# KiCad board evr-fmc.kicad_pcb
title: Trigger Output FMC; date: 2026-05-07; rev: 1.0; company: SPDX-FileCopyrightText: 2025 Osprey DCS; note: SPDX-License-Identifier: CERN-OHL-S-2.0+
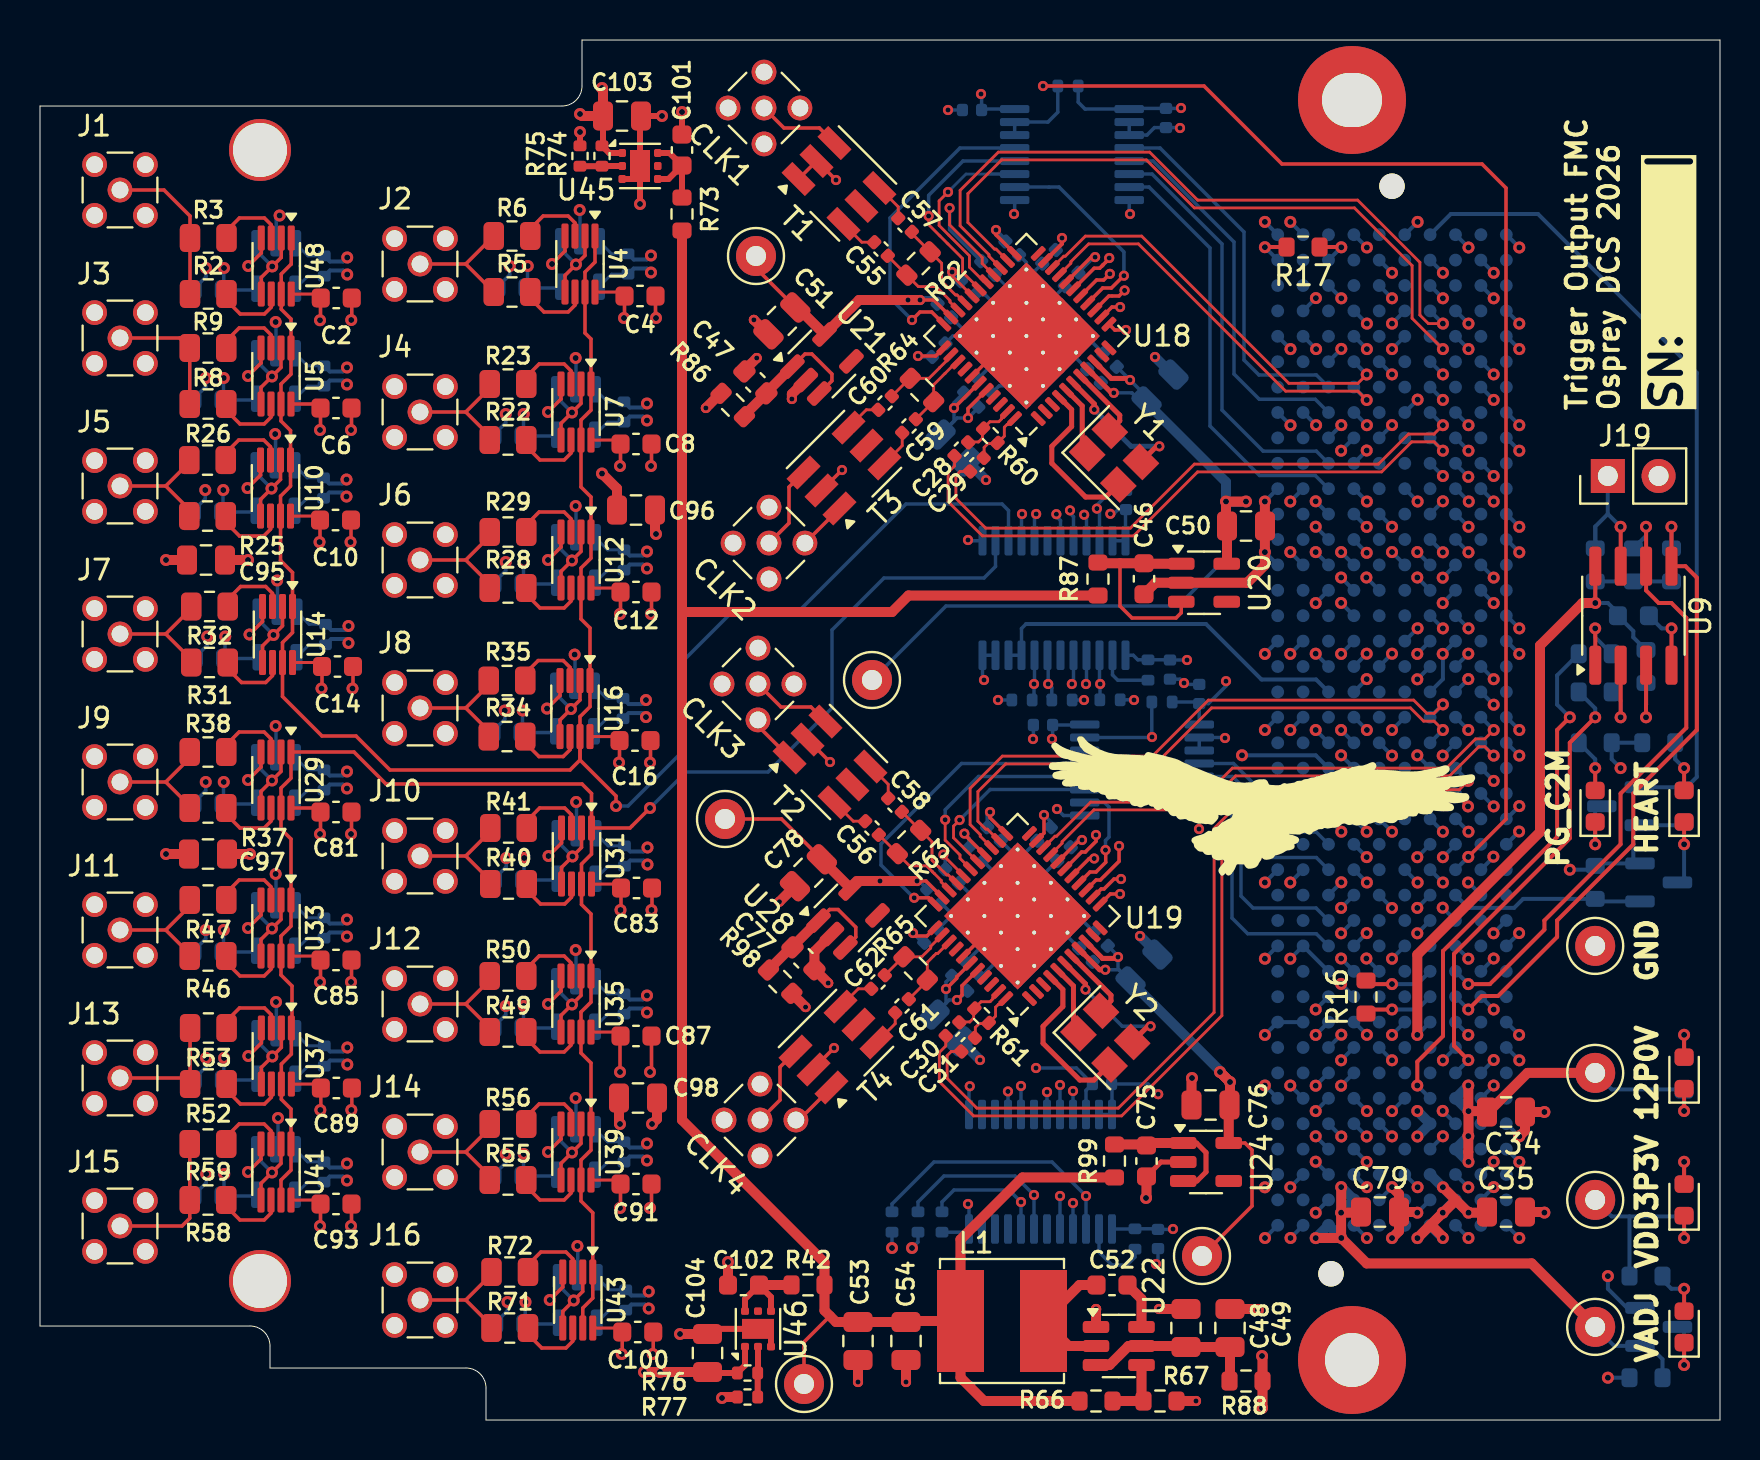
[diagram p0: board, top side]
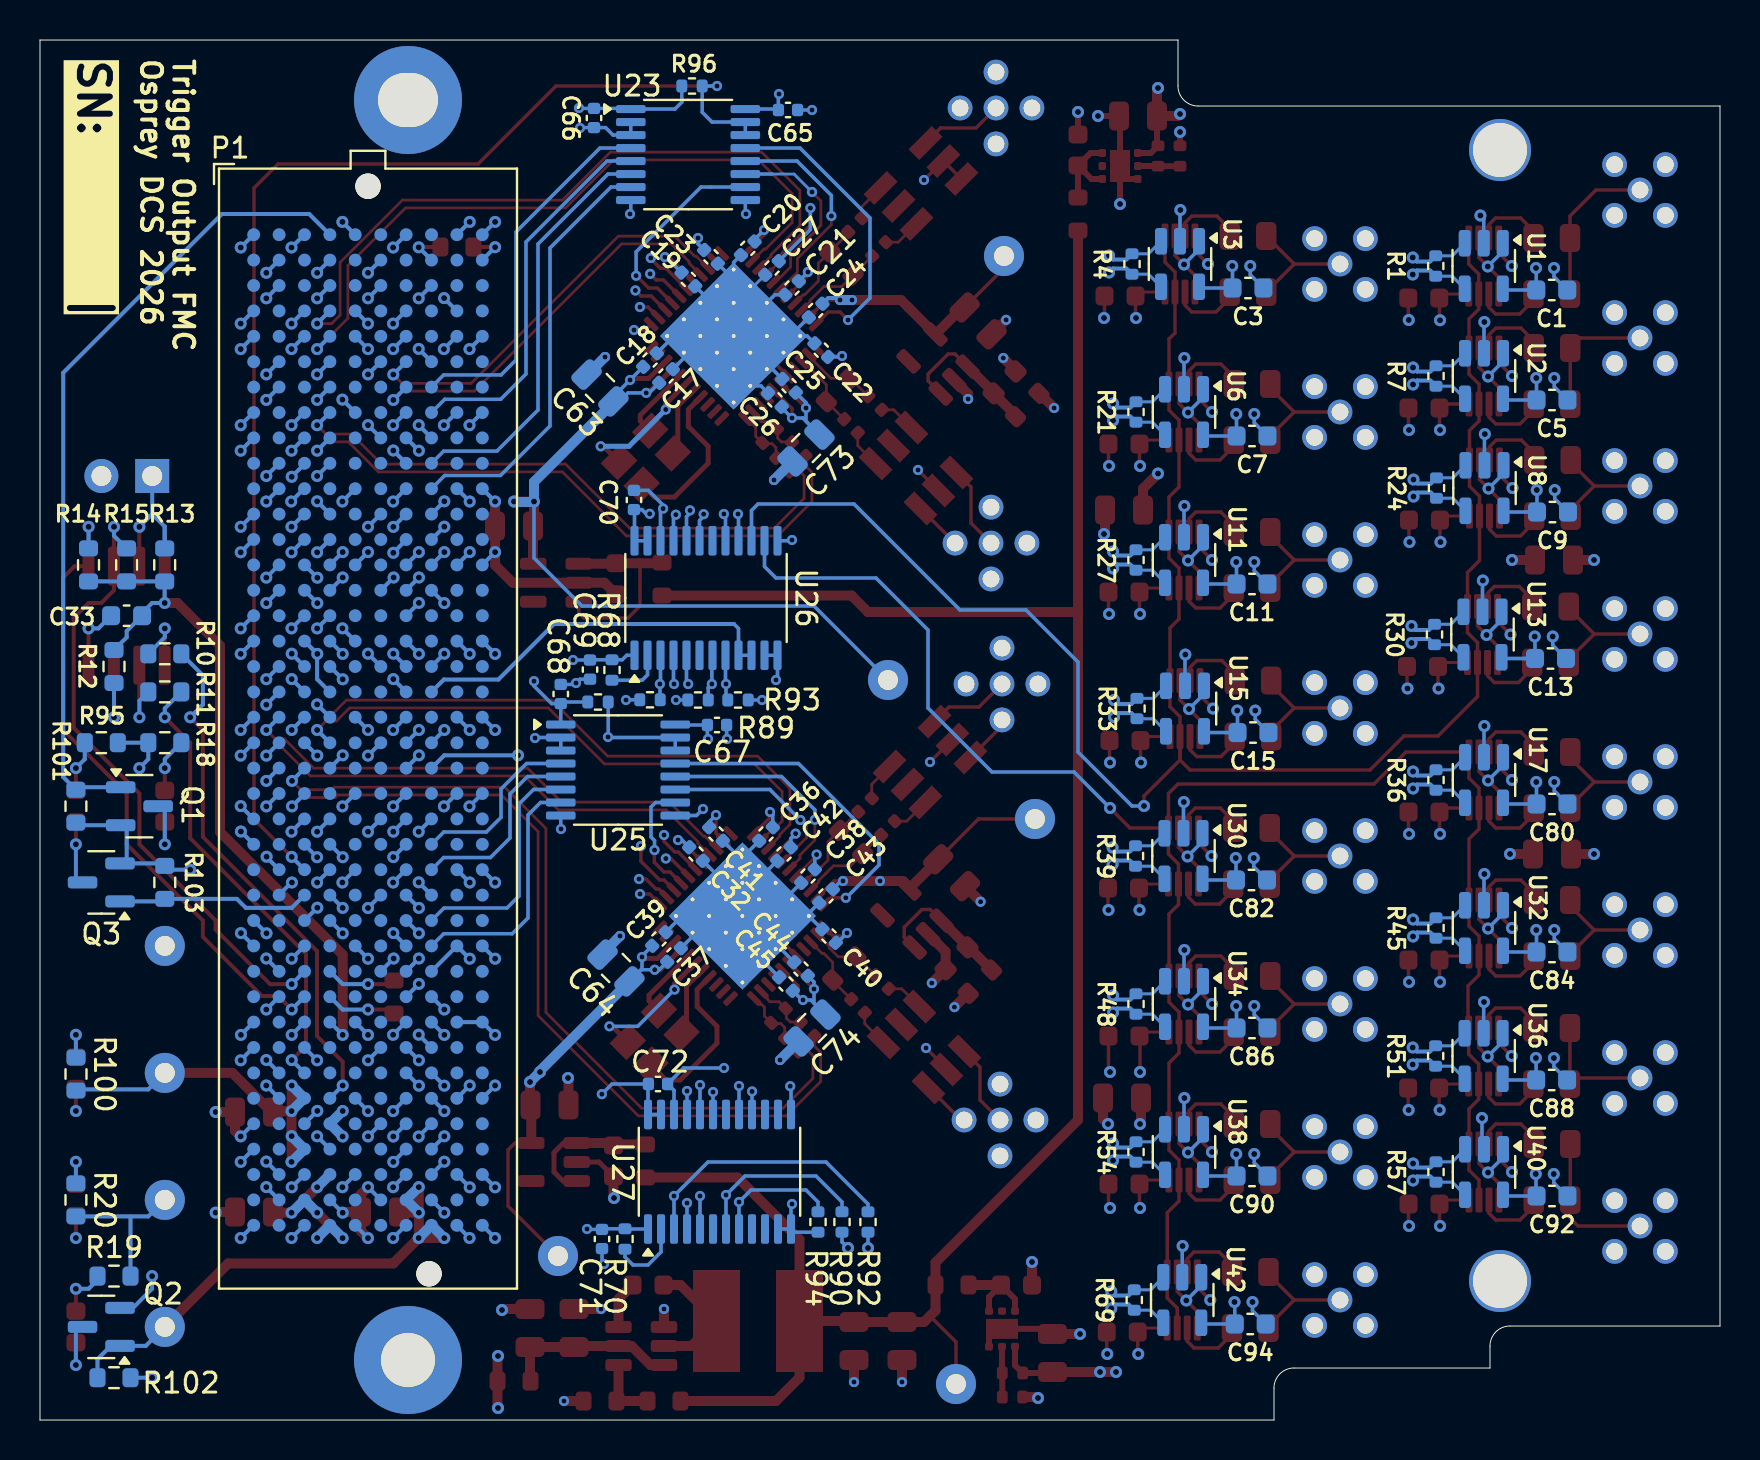
[diagram p1: board, bottom side, seen from below]

Outline 84 x 69 mm; copper layers: Top, In1.Cu, In2.Cu, In3.Cu, In4.Cu, In5.Cu, In6.Cu, Bottom. Coordinates in mm from the lower left corner of the outline.
Outline path: 0,65.7 0,4.7 10.5,4.7 arc(11.21,4.41) 11.5,3.7 11.5,2.6 21.3,2.6 arc(22.01,2.31) 22.3,1.6 22.3,0 84,0 84,69 27.1,69 27.1,66.7 arc(26.81,65.99) 26.1,65.7 0,65.7
Stack: Top 0.035mm / dielectric 0.1525mm FR4 - 2113x2 er 4.3 / In1.Cu 0.035mm / dielectric 0.23mm FR4 er 4.3 / In2.Cu 0.035mm / dielectric 0.1525mm FR4 - 2113x2 er 4.3 / In3.Cu 0.035mm / dielectric 0.23mm FR4 er 4.3 / In4.Cu 0.035mm / dielectric 0.1525mm FR4 - 2113x2 er 4.3 / In5.Cu 0.035mm / dielectric 0.23mm FR4 er 4.3 / In6.Cu 0.035mm / dielectric 0.1525mm FR4 - 2113x2 er 4.3 / Bottom 0.035mm

## Placement (name value [footprint] x y rotation side)
C1  100nF  [C_0603_1608Metric]  8.41 56.5 0 bottom
C2  100nF  [C_0603_1608Metric]  14.81 56.1 180 top
C3  100nF  [C_0603_1608Metric]  23.6 56.6 0 bottom
C4  100nF  [C_0603_1608Metric]  30 56.2 180 top
C5  100nF  [C_0603_1608Metric]  8.4 51 0 bottom
C6  100nF  [C_0603_1608Metric]  14.8 50.6 180 top
C7  100nF  [C_0603_1608Metric]  23.4 49.2 0 bottom
C8  100nF  [C_0603_1608Metric]  29.8 48.8 180 top
C9  100nF  [C_0603_1608Metric]  8.38 45.4 0 bottom
C10  100nF  [C_0603_1608Metric]  14.78 45 180 top
C11  100nF  [C_0603_1608Metric]  23.4 41.8 0 bottom
C12  100nF  [C_0603_1608Metric]  29.8 41.4 180 top
C13  100nF  [C_0603_1608Metric]  8.48 38.08 0 bottom
C14  100nF  [C_0603_1608Metric]  14.88 37.68 180 top
C15  100nF  [C_0603_1608Metric]  23.35 34.37 0 bottom
C16  100nF  [C_0603_1608Metric]  29.75 33.97 180 top
C17  100nF  [C_0402_1005Metric]  52.7 52.2 135 bottom
C18  100nF  [C_0402_1005Metric]  53.5 53 135 bottom
C19  100nF  [C_0402_1005Metric]  51.58 57.03 225 bottom
C20  100nF  [C_0402_1005Metric]  48.61 58.58 315 bottom
C21  100nF  [C_0402_1005Metric]  46.4 56.6 315 bottom
C22  100nF  [C_0402_1005Metric]  44.94 53.49 45 bottom
C23  100nF  [C_0402_1005Metric]  50.45 58.16 225 bottom
C24  100nF  [C_0402_1005Metric]  45.22 55.47 315 bottom
C25  100nF  [C_0402_1005Metric]  46.55 51.71 45 bottom
C26  100nF  [C_0402_1005Metric]  47.25 51 45 bottom
C27  100nF  [C_0402_1005Metric]  47.4 57.6 315 bottom
C28  100nF  [C_0402_1005Metric]  46.07 48.54 45 top
C29  100nF  [C_0402_1005Metric]  46.84 47.77 45 top
C30  100nF  [C_0402_1005Metric]  45.63 19.54 45 top
C31  100nF  [C_0402_1005Metric]  46.41 18.77 45 top
C32  100nF  [C_0402_1005Metric]  51.2 28.3 225 bottom
C33  1uF  [C_0603_1608Metric]  79.67 40.22 0 bottom
C34  22uF  [C_0805_2012Metric]  73.3 15.4 0 top
C35  22uF  [C_0805_2012Metric]  73.3 10.4 0 top
C36  100nF  [C_0402_1005Metric]  47.7 29.3 315 bottom
C37  100nF  [C_0402_1005Metric]  52.3 23.25 135 bottom
C38  100nF  [C_0402_1005Metric]  45.6 27.2 315 bottom
C39  100nF  [C_0402_1005Metric]  53.05 24.05 135 bottom
C40  100nF  [C_0402_1005Metric]  44.55 24.2 45 bottom
C41  100nF  [C_0402_1005Metric]  50.2 29.3 225 bottom
C42  100nF  [C_0402_1005Metric]  46.8 28.3 315 bottom
C43  100nF  [C_0402_1005Metric]  44.7 26.2 315 bottom
C44  100nF  [C_0402_1005Metric]  45.95 22.55 45 bottom
C45  100nF  [C_0402_1005Metric]  46.7 21.8 45 bottom
C46  1uF  [C_0603_1608Metric]  55.2 42.06 270 top
C47  1uF  [C_0603_1608Metric]  35.77 51.88 135 top
C48  10uF  [C_0805_2012Metric]  57.3 4.6 90 top
C49  10uF  [C_0805_2012Metric]  59.5 4.6 90 top
C50  10uF  [C_0805_2012Metric]  60.3 44.7 0 top
C51  10uF  [C_0805_2012Metric]  37.09 54.96 225 top
C52  100nF  [C_0603_1608Metric]  53.6 6.75 180 top
C53  22uF  [C_0805_2012Metric]  40.9 3.95 270 top
C54  22uF  [C_0805_2012Metric]  43.3 3.95 270 top
C55  100nF  [C_0402_1005Metric]  42.05 58.55 135 top
C56  100nF  [C_0402_1005Metric]  41.6 29.6 135 top
C57  100nF  [C_0402_1005Metric]  43.25 59.75 135 top
C58  100nF  [C_0402_1005Metric]  42.75 30.75 135 top
C59  100nF  [C_0402_1005Metric]  43.45 49.7 225 top
C60  100nF  [C_0402_1005Metric]  42.25 50.85 225 top
C61  100nF  [C_0402_1005Metric]  43.1 20.7 225 top
C62  100nF  [C_0402_1005Metric]  41.9 21.9 225 top
C63  10uF  [C_0805_2012Metric]  56 51.6 45 bottom
C64  10uF  [C_0805_2012Metric]  55.2 22.6 45 bottom
C65  100nF  [C_0402_1005Metric]  46.6 65.5 0 bottom
C66  100nF  [C_0402_1005Metric]  56.3 65.1 90 bottom
C67  100nF  [C_0402_1005Metric]  50.15 34.75 0 bottom
C68  100nF  [C_0402_1005Metric]  57.96 36.3 270 bottom
C69  100nF  [C_0402_1005Metric]  56.5 37.52 90 bottom
C70  100nF  [C_0402_1005Metric]  54.3 46 270 bottom
C71  100nF  [C_0402_1005Metric]  55.9 9.05 90 bottom
C72  100nF  [C_0402_1005Metric]  53.1 16.8 0 bottom
C73  10uF  [C_0805_2012Metric]  45.7 48.6 315 bottom
C74  10uF  [C_0805_2012Metric]  45.4 19.6 315 bottom
C75  1uF  [C_0603_1608Metric]  55.32 12.95 270 top
C76  10uF  [C_0805_2012Metric]  58.52 15.75 180 top
C77  1uF  [C_0603_1608Metric]  38.17 23.08 315 top
C78  10uF  [C_0805_2012Metric]  38.42 27.36 225 top
C79  22uF  [C_0805_2012Metric]  67 10.4 0 top
C80  100nF  [C_0603_1608Metric]  8.4 30.8 0 bottom
C81  100nF  [C_0603_1608Metric]  14.8 30.4 180 top
C82  100nF  [C_0603_1608Metric]  23.43 27 0 bottom
C83  100nF  [C_0603_1608Metric]  29.82 26.6 180 top
C84  100nF  [C_0603_1608Metric]  8.4 23.4 0 bottom
C85  100nF  [C_0603_1608Metric]  14.8 23 180 top
C86  100nF  [C_0603_1608Metric]  23.4 19.6 0 bottom
C87  100nF  [C_0603_1608Metric]  29.8 19.2 180 top
C88  100nF  [C_0603_1608Metric]  8.42 17 0 bottom
C89  100nF  [C_0603_1608Metric]  14.82 16.6 180 top
C90  100nF  [C_0603_1608Metric]  23.4 12.2 0 bottom
C91  100nF  [C_0603_1608Metric]  29.8 11.8 180 top
C92  100nF  [C_0603_1608Metric]  8.4 11.2 0 bottom
C93  100nF  [C_0603_1608Metric]  14.8 10.8 180 top
C94  100nF  [C_0603_1608Metric]  23.49 4.8 0 bottom
C95  10uF  [C_0805_2012Metric]  8.3 43 180 top
C96  10uF  [C_0805_2012Metric]  29.8 45.5 180 top
C97  10uF  [C_0805_2012Metric]  8.4 28.3 180 top
C98  10uF  [C_0805_2012Metric]  29.9 16.1 0 top
C100  100nF  [C_0603_1608Metric]  29.89 4.4 180 top
C101  1uF  [C_0603_1608Metric]  32.1 63.5 90 top
C102  1uF  [C_0603_1608Metric]  35.18 6.75 180 top
C103  10uF  [C_0805_2012Metric]  29.1 65.2 0 top
C104  10uF  [C_0805_2012Metric]  33.38 3.35 90 top
CLK1  MMCX  [MMCX_Molex_73415-1471_Vertical]  36.2 65.6 315 top
CLK2  MMCX  [MMCX_Molex_73415-1471_Vertical]  36.45 43.85 135 top
CLK3  MMCX  [MMCX_Molex_73415-1471_Vertical]  35.9 36.8 135 top
CLK4  MMCX  [MMCX_Molex_73415-1471_Vertical]  36 15 45 top
D1  Green  [LED_0603_1608Metric]  77.76 30.69 90 top
D2  Green  [LED_0603_1608Metric]  82.21 4.66 90 top
D3  Green  [LED_0603_1608Metric]  82.21 11 90 top
D4  Green  [LED_0603_1608Metric]  82.21 30.69 90 top
D5  Green  [LED_0603_1608Metric]  82.21 17.36 90 top
H1  MountingHole  [MountingHole_2.7mm_M2.5_Pad]  65.6 3 0 top
H2  MountingHole  [MountingHole_2.7mm_M2.5_Pad_Marble_Slot]  65.6 66 0 top
H3  MountingHole  [MountingHole_2.7mm_Pad_3.1mm]  11 6.95 0 top
H4  MountingHole  [MountingHole_2.7mm_Pad_3.1mm]  11 63.5 0 top
J1  MMCX  [MMCX_Molex_73415-1471_Vertical]  4 61.5 0 top
J2  MMCX  [MMCX_Molex_73415-1471_Vertical]  19 57.8 0 top
J3  MMCX  [MMCX_Molex_73415-1471_Vertical]  4 54.1 0 top
J4  MMCX  [MMCX_Molex_73415-1471_Vertical]  19 50.4 0 top
J5  MMCX  [MMCX_Molex_73415-1471_Vertical]  4 46.7 0 top
J6  MMCX  [MMCX_Molex_73415-1471_Vertical]  19 43 0 top
J7  MMCX  [MMCX_Molex_73415-1471_Vertical]  4 39.3 0 top
J8  MMCX  [MMCX_Molex_73415-1471_Vertical]  19 35.6 0 top
J9  MMCX  [MMCX_Molex_73415-1471_Vertical]  4 31.9 0 top
J10  MMCX  [MMCX_Molex_73415-1471_Vertical]  19 28.2 0 top
J11  MMCX  [MMCX_Molex_73415-1471_Vertical]  4 24.5 0 top
J12  MMCX  [MMCX_Molex_73415-1471_Vertical]  19 20.8 0 top
J13  MMCX  [MMCX_Molex_73415-1471_Vertical]  4 17.1 0 top
J14  MMCX  [MMCX_Molex_73415-1471_Vertical]  19 13.4 0 top
J15  MMCX  [MMCX_Molex_73415-1471_Vertical]  4 9.7 0 top
J16  MMCX  [MMCX_Molex_73415-1471_Vertical]  19 6 0 top
J19  WP Jumper  [PinHeader_1x02_P2.54mm_Vertical]  78.39 47.2 90 top
L1  SRN6045TA-3R3M  [L_Bourns_SRN6045TA]  48.1 4.95 180 top
Logo1  Osprey Logo  [Logo_2X]  61.45 31.98 45 top
P1  ASP-134488-01  [Samtec_FMC_ASP-134602-01_10x40_P1.27mm_Vertical]  67.6 34.5 180 bottom
Q1  FDN335N  [SOT-23]  79.03 30.69 180 bottom
Q2  FDN335N  [SOT-23]  80.94 4.66 0 bottom
Q3  FDN335N  [SOT-23]  80.94 26.88 0 bottom
R1  100R  [R_0402_1005Metric]  14.21 57.7 270 bottom
R2  88.7R  [R_0805_2012Metric]  8.41 56.3 180 top
R3  88.7R  [R_0805_2012Metric]  8.41 59.1 180 top
R4  100R  [R_0402_1005Metric]  29.4 57.8 270 bottom
R5  88.7R  [R_0805_2012Metric]  23.6 56.4 180 top
R6  88.7R  [R_0805_2012Metric]  23.6 59.2 180 top
R7  100R  [R_0402_1005Metric]  14.2 52.2 270 bottom
R8  88.7R  [R_0805_2012Metric]  8.4 50.8 180 top
R9  88.7R  [R_0805_2012Metric]  8.4 53.6 180 top
R10  4.75k  [R_0603_1608Metric]  77.76 38.31 0 bottom
R11  4.75k  [R_0603_1608Metric]  77.76 36.41 0 bottom
R12  4.75k  [R_0603_1608Metric]  80.3 37.67 270 bottom
R13  11.5k  [R_0603_1608Metric]  77.76 42.75 90 bottom
R14  4.75k  [R_0603_1608Metric]  81.57 42.75 90 bottom
R15  4.75k  [R_0603_1608Metric]  79.67 42.75 90 bottom
R16  0R  [R_0603_1608Metric]  66.3 21.15 90 top
R17  0R  [R_0603_1608Metric]  63.16 58.65 180 top
R18  1k  [R_0603_1608Metric]  77.76 33.86 0 bottom
R19  1k  [R_0603_1608Metric]  80.3 7.19 180 bottom
R20  1k  [R_0603_1608Metric]  82.21 11 270 bottom
R21  100R  [R_0402_1005Metric]  29.2 50.4 270 bottom
R22  88.7R  [R_0805_2012Metric]  23.4 49 180 top
R23  88.7R  [R_0805_2012Metric]  23.4 51.8 180 top
R24  100R  [R_0402_1005Metric]  14.18 46.6 270 bottom
R25  88.7R  [R_0805_2012Metric]  8.38 45.2 180 top
R26  88.7R  [R_0805_2012Metric]  8.38 48 180 top
R27  100R  [R_0402_1005Metric]  29.2 43 270 bottom
R28  88.7R  [R_0805_2012Metric]  23.4 41.6 180 top
R29  88.7R  [R_0805_2012Metric]  23.4 44.4 180 top
R30  100R  [R_0402_1005Metric]  14.28 39.28 270 bottom
R31  88.7R  [R_0805_2012Metric]  8.48 37.88 180 top
R32  88.7R  [R_0805_2012Metric]  8.48 40.68 180 top
R33  100R  [R_0402_1005Metric]  29.15 35.57 270 bottom
R34  88.7R  [R_0805_2012Metric]  23.35 34.17 180 top
R35  88.7R  [R_0805_2012Metric]  23.35 36.97 180 top
R36  100R  [R_0402_1005Metric]  14.2 32 270 bottom
R37  88.7R  [R_0805_2012Metric]  8.4 30.6 180 top
R38  88.7R  [R_0805_2012Metric]  8.4 33.4 180 top
R39  100R  [R_0402_1005Metric]  29.22 28.2 270 bottom
R40  88.7R  [R_0805_2012Metric]  23.43 26.8 180 top
R41  88.7R  [R_0805_2012Metric]  23.43 29.6 180 top
R42  0R  [R_0603_1608Metric]  38.4 6.75 180 top
R45  100R  [R_0402_1005Metric]  14.2 24.6 270 bottom
R46  88.7R  [R_0805_2012Metric]  8.4 23.2 180 top
R47  88.7R  [R_0805_2012Metric]  8.4 26 180 top
R48  100R  [R_0402_1005Metric]  29.2 20.8 270 bottom
R49  88.7R  [R_0805_2012Metric]  23.4 19.4 180 top
R50  88.7R  [R_0805_2012Metric]  23.4 22.2 180 top
R51  100R  [R_0402_1005Metric]  14.22 18.2 270 bottom
R52  88.7R  [R_0805_2012Metric]  8.42 16.8 180 top
R53  88.7R  [R_0805_2012Metric]  8.42 19.6 180 top
R54  100R  [R_0402_1005Metric]  29.2 13.4 270 bottom
R55  88.7R  [R_0805_2012Metric]  23.4 12 180 top
R56  88.7R  [R_0805_2012Metric]  23.4 14.8 180 top
R57  100R  [R_0402_1005Metric]  14.2 12.4 270 bottom
R58  88.7R  [R_0805_2012Metric]  8.4 11 180 top
R59  88.7R  [R_0805_2012Metric]  8.4 13.8 180 top
R60  100R  [R_0402_1005Metric]  47.52 49.21 315 top
R61  100R  [R_0402_1005Metric]  47.08 20.21 315 top
R62  100R  [R_0603_1608Metric]  43.93 57.83 45 top
R63  100R  [R_0603_1608Metric]  43.45 28.9 45 top
R64  100R  [R_0603_1608Metric]  44.1 51.5 135 top
R65  100R  [R_0603_1608Metric]  43.78 22.58 135 top
R66  61.9k  [R_0603_1608Metric]  52.8 0.95 0 top
R67  10k  [R_0603_1608Metric]  56 0.95 0 top
R68  4.75k  [R_0402_1005Metric]  55.4 37.5 90 bottom
R69  100R  [R_0402_1005Metric]  29.29 6 270 bottom
R70  4.75k  [R_0402_1005Metric]  54.75 9.05 90 bottom
R71  88.7R  [R_0805_2012Metric]  23.49 4.6 180 top
R72  88.7R  [R_0805_2012Metric]  23.49 7.4 180 top
R73  0R  [R_0603_1608Metric]  32.1 60.3 90 top
R74  10.7k  [R_0402_1005Metric]  27 63.2 270 top
R75  86.6k  [R_0402_1005Metric]  28.1 63.2 90 top
R76  86.6k  [R_0402_1005Metric]  35.37 2.35 180 top
R77  10.7k  [R_0402_1005Metric]  35.38 1.15 0 top
R86  0R  [R_0603_1608Metric]  34.64 50.75 315 top
R87  0R  [R_0603_1608Metric]  52.9 42.05 90 top
R88  0R  [R_0603_1608Metric]  60.3 1.95 180 top
R89  4.75k  [R_0402_1005Metric]  51.1 36 0 bottom
R90  4.75k  [R_0402_1005Metric]  43.9 9.9 270 bottom
R91  4.75k  [R_0402_1005Metric]  53.5 36.01 0 bottom
R92  4.75k  [R_0402_1005Metric]  42.6 9.9 270 bottom
R93  4.75k  [R_0402_1005Metric]  49.1 36 0 bottom
R94  4.75k  [R_0402_1005Metric]  45.1 9.9 90 bottom
R95  1k  [R_0603_1608Metric]  80.94 33.86 180 bottom
R96  4.75k  [R_0402_1005Metric]  51.4 66.7 0 bottom
R97  4.75k  [R_0402_1005Metric]  56.1 35.9 0 bottom
R98  0R  [R_0603_1608Metric]  37.01 21.92 135 top
R99  0R  [R_0603_1608Metric]  53.72 12.95 90 top
R100  8.2k  [R_0603_1608Metric]  82.2 17.3 270 bottom
R101  100k  [R_0603_1608Metric]  82.21 30.69 90 bottom
R102  100k  [R_0603_1608Metric]  80.3 2.12 0 bottom
R103  100k  [R_0603_1608Metric]  77.76 26.88 270 bottom
T1  TCM2-43X+  [Mini-Circuits_DB1627]  39.95 61.83 45 top
T2  TCM2-43X+  [Mini-Circuits_DB1627]  39.5 32.9 45 top
T3  TCM2-43X+  [Mini-Circuits_DB1627]  40.2 47.6 135 top
T4  TCM2-43X+  [Mini-Circuits_DB1627]  39.8 18.65 135 top
TP1  Keystone5001  [TestPoint_Keystone_5000-5004_Miniature]  77.76 23.7 0 top
TP2  Keystone5000  [TestPoint_Keystone_5000-5004_Miniature]  77.76 17.36 0 top
TP3  Keystone5000  [TestPoint_Keystone_5000-5004_Miniature]  77.76 11 0 top
TP4  Keystone5000  [TestPoint_Keystone_5000-5004_Miniature]  77.76 4.66 0 top
TP5  Keystone5000  [TestPoint_Keystone_5000-5004_Miniature]  35.8 58.2 0 top
TP6  Keystone5000  [TestPoint_Keystone_5000-5004_Miniature]  58.1 8.2 0 top
TP7  Keystone5000  [TestPoint_Keystone_5000-5004_Miniature]  41.6 37 0 top
TP8  Keystone5000  [TestPoint_Keystone_5000-5004_Miniature]  38.2 1.8 0 top
TP9  Keystone5000  [TestPoint_Keystone_5000-5004_Miniature]  34.25 30.05 0 top
U1  TLV3601  [SOT-23-5]  11.81 57.7 270 bottom
U2  TLV3601  [SOT-23-5]  11.8 52.2 270 bottom
U3  TLV3601  [SOT-23-5]  27 57.8 270 bottom
U4  SN74LVC2G126  [VSSOP-8_2.3x2mm_P0.5mm]  27 57.8 270 top
U5  SN74LVC2G126  [VSSOP-8_2.3x2mm_P0.5mm]  11.8 52.2 270 top
U6  TLV3601  [SOT-23-5]  26.8 50.4 270 bottom
U7  SN74LVC2G126  [VSSOP-8_2.3x2mm_P0.5mm]  26.8 50.4 270 top
U8  TLV3601  [SOT-23-5]  11.78 46.6 270 bottom
U9  AT24C64D  [SOIC-8_3.9x4.9mm_P1.27mm]  79.67 40.22 90 top
U10  SN74LVC2G126  [VSSOP-8_2.3x2mm_P0.5mm]  11.78 46.6 270 top
U11  TLV3601  [SOT-23-5]  26.8 43 270 bottom
U12  SN74LVC2G126  [VSSOP-8_2.3x2mm_P0.5mm]  26.8 43 270 top
U13  TLV3601  [SOT-23-5]  11.88 39.28 270 bottom
U14  SN74LVC2G126  [VSSOP-8_2.3x2mm_P0.5mm]  11.88 39.28 270 top
U15  TLV3601  [SOT-23-5]  26.75 35.57 270 bottom
U16  SN74LVC2G126  [VSSOP-8_2.3x2mm_P0.5mm]  26.75 35.57 270 top
U17  TLV3601  [SOT-23-5]  11.8 32 270 bottom
U18  SI5394  [QFN-44-1EP_7x7mm_P0.5mm_EP5.2x5.2mm_ThermalVias]  49.32 54.2 135 top
U19  SI5394  [QFN-44-1EP_7x7mm_P0.5mm_EP5.2x5.2mm_ThermalVias]  48.88 25.2 135 top
U20  TLV75733PDBV  [SOT-23-5]  58.2 41.86 0 top
U21  TLV75718PDBV  [SOT-23-5]  39.09 52.8 45 top
U22  TPS563200  [SOT-23-6]  53.94 3.7 0 top
U23  74AVC4T245  [TSSOP-16_4.4x5mm_P0.65mm]  51.6 63.27 180 bottom
U24  TLV75733PDBV  [SOT-23-5]  58.3 12.9 0 top
U25  74AVC4T245  [TSSOP-16_4.4x5mm_P0.65mm]  55.1 32.5 180 bottom
U26  74LVC8T245  [TSSOP-24_4.4x7.8mm_P0.65mm]  50.7 41.1 90 bottom
U27  74LVC8T245  [TSSOP-24_4.4x7.8mm_P0.65mm]  50.03 12.41 90 bottom
U28  TLV75718PDBV  [SOT-23-5]  40.4 25.1 45 top
U29  SN74LVC2G126  [VSSOP-8_2.3x2mm_P0.5mm]  11.8 32 270 top
U30  TLV3601  [SOT-23-5]  26.82 28.2 270 bottom
U31  SN74LVC2G126  [VSSOP-8_2.3x2mm_P0.5mm]  26.82 28.2 270 top
U32  TLV3601  [SOT-23-5]  11.8 24.6 270 bottom
U33  SN74LVC2G126  [VSSOP-8_2.3x2mm_P0.5mm]  11.8 24.6 270 top
U34  TLV3601  [SOT-23-5]  26.8 20.8 270 bottom
U35  SN74LVC2G126  [VSSOP-8_2.3x2mm_P0.5mm]  26.8 20.8 270 top
U36  TLV3601  [SOT-23-5]  11.82 18.2 270 bottom
U37  SN74LVC2G126  [VSSOP-8_2.3x2mm_P0.5mm]  11.82 18.2 270 top
U38  TLV3601  [SOT-23-5]  26.8 13.4 270 bottom
U39  SN74LVC2G126  [VSSOP-8_2.3x2mm_P0.5mm]  26.8 13.4 270 top
U40  TLV3601  [SOT-23-5]  11.8 12.4 270 bottom
U41  SN74LVC2G126  [VSSOP-8_2.3x2mm_P0.5mm]  11.8 12.4 270 top
U42  TLV3601  [SOT-23-5]  26.89 6 270 bottom
U43  SN74LVC2G126  [VSSOP-8_2.3x2mm_P0.5mm]  26.89 6 270 top
U45  TLV75901PDRV  [WSON-6-1EP_2x2mm_P0.65mm_EP1x1.6mm]  30 62.7 0 top
U46  TLV75901PDRV  [WSON-6-1EP_2x2mm_P0.65mm_EP1x1.6mm]  35.9 4.56 90 top
U48  SN74LVC2G126  [VSSOP-8_2.3x2mm_P0.5mm]  11.81 57.7 270 top
Y1  CX3225SB48000D0FPJC1  [Crystal_SMD_Abracon_ABM8AIG-4Pin_3.2x2.5mm]  53.7 48.12 315 top
Y2  CX3225SB48000D0FPJC1  [Crystal_SMD_Abracon_ABM8AIG-4Pin_3.2x2.5mm]  53.26 19.12 315 top

## Library data of the parts
C1-C16 C80-C94 C100 = -: Description: CAP CER 0.1UF 50V X7R 0603; Digikey: 490-8020-6-ND; MPN: GCM188R71H104KA57J; Manufacturer: Murata; ki_fp_filters: C_*
C17-C32 C36-C45 C55-C62 C65-C72 = -: Description: CAP CER 0.1UF 50V X7R 0402; MPN: GCM155R71H104KE02J; Manufacturer: Murata; Digikey: 490-14514-6-ND; ki_fp_filters: C_*
C33 = -: Description: CAP CER 1UF 16V X7R 0603; MPN: GCM188R71C105KA64D; Manufacturer: Murata; Digikey: 490-5241-6-ND; ki_fp_filters: C_*
C34 C35 C79 = -: Description: CAP CER 22UF 16V X5R 0805; MPN: CL21A226MOCLRNC; Manufacturer: Samsung; Digikey: 1276-6780-6-ND; ki_fp_filters: C_*
C46 C75 C101 C102 = -: Description: CAP CER 1UF 16V X7R 0603; MPN: GCM188R71C105KA64D; Comment: CAP CER 1UF 16V X7R 0603; Designator: C6; LCSC: C161212; Manufacturer: Murata; Digikey: 490-5241-6-ND; ki_fp_filters: C_*
C47 C77 = -: Description: CAP CER 1UF 16V X7R 0603; MPN: GCM188R71C105KA64D; Comment: CAP CER 1UF 16V X7R 0603; Designator: C8; LCSC: C161212; Manufacturer: Murata; Digikey: 490-5241-6-ND; ki_fp_filters: C_*
C48 = -: Description: CAP CER 10UF 25V X5R 0805; MPN: GRM21BR61E106KA73L; Comment: CAP CER 10UF 25V X5R 0805; Designator: C1; LCSC: C84416; Manufacturer: Murata; Digikey: 490-5523-6-ND; ki_fp_filters: C_*
C49 = -: Description: CAP CER 10UF 25V X5R 0805; MPN: GRM21BR61E106KA73L; Comment: CAP CER 10UF 25V X5R 0805; Designator: C2; LCSC: C84416; Manufacturer: Murata; Digikey: 490-5523-6-ND; ki_fp_filters: C_*
C50 C63 C64 C73 C74 C76 C95-C98 C103 C104 = -: Description: CAP CER 10UF 25V X5R 0805; MPN: GRM21BR61E106KA73L; Comment: CAP CER 10UF 25V X5R 0805; Designator: C7; LCSC: C84416; Manufacturer: Murata; Digikey: 490-5523-6-ND; ki_fp_filters: C_*
C51 C78 = -: Description: CAP CER 10UF 25V X5R 0805; MPN: GRM21BR61E106KA73L; Comment: CAP CER 10UF 25V X5R 0805; Designator: C9; LCSC: C84416; Manufacturer: Murata; Digikey: 490-5523-6-ND; ki_fp_filters: C_*
C52 = -: Description: CAP CER 0.1UF 50V X7R 0603; MPN: GCM188R71H104KA57J; Comment: CAP CER 0.1UF 50V X7R 0603; Designator: C5; LCSC: C3011652; Manufacturer: Murata; Digikey: 490-8020-6-ND; ki_fp_filters: C_*
C53 = -: Description: CAP CER 22UF 16V X5R 0805; MPN: CL21A226MOCLRNC; Comment: CAP CER 22UF 25V X5R 0805; Designator: C3; LCSC: C86816; Manufacturer: Samsung; Digikey: 1276-6780-6-ND; ki_fp_filters: C_*
C54 = -: Description: CAP CER 22UF 16V X5R 0805; MPN: CL21A226MOCLRNC; Comment: CAP CER 22UF 25V X5R 0805; Designator: C4; LCSC: C86816; Manufacturer: Samsung; Digikey: 1276-6780-6-ND; ki_fp_filters: C_*
CLK1-CLK4 J1-J16 = -: Description: CONN MMCX JACK STR 50 OHM PCB; MPN: MMCX-J-P-H-ST-TH1; Manufacturer: Samtec Inc.; Digikey: SAM10617-ND; ki_fp_filters: *BNC* *SMA* *SMB* *SMC* *Cinch* *LEMO* *UMRF* *MCX* *U.FL*
D1-D5 = -: Description: LED GREEN CLEAR CHIP SMD; MPN: APT1608CGCK; Manufacturer: Kingbright; Sim.Pins: 1=K 2=A; Digikey: 754-1116-6-ND; ki_fp_filters: LED* LED_SMD:* LED_THT:*
H1 H2 = -: ki_fp_filters: MountingHole*Pad*
H3 H4 = -: Description: Mounting Hole with connection; ki_fp_filters: MountingHole*Pad*
J19 = -: Description: CONN HEADER VERT 2POS 2.54MM; MPN: M20-9990245; Manufacturer: Harwin Inc.; Digikey: 952-2261-ND; ki_fp_filters: Connector*:*_1x??_*
L1 = -: Description: FIXED IND 3.3UH 5A 21 MOHM SMD; Comment: FIXED IND 4.7UH 4.5A 26 MOHM SMD; Designator: L1; LCSC: C2044594; MPN: SRN6045TA-3R3Y; Manufacturer: Bourns; Digikey: SRN6045TA-3R3YDKR-ND; ki_fp_filters: Choke_* *Coil* Inductor_* L_*